# Altium PCB Test.PcbDoc (part 1 of 3)
Units mil, origin at the board's own origin, x right, y up, seen from the top; angles counter-clockwise.
Board outline 22000 x 14000 mil, 2 copper layers (Top Layer, Bottom Layer); 288 components, 166 nets, 913 pads, 158 vias.
Unrouted connection lines stored in the file: 82.
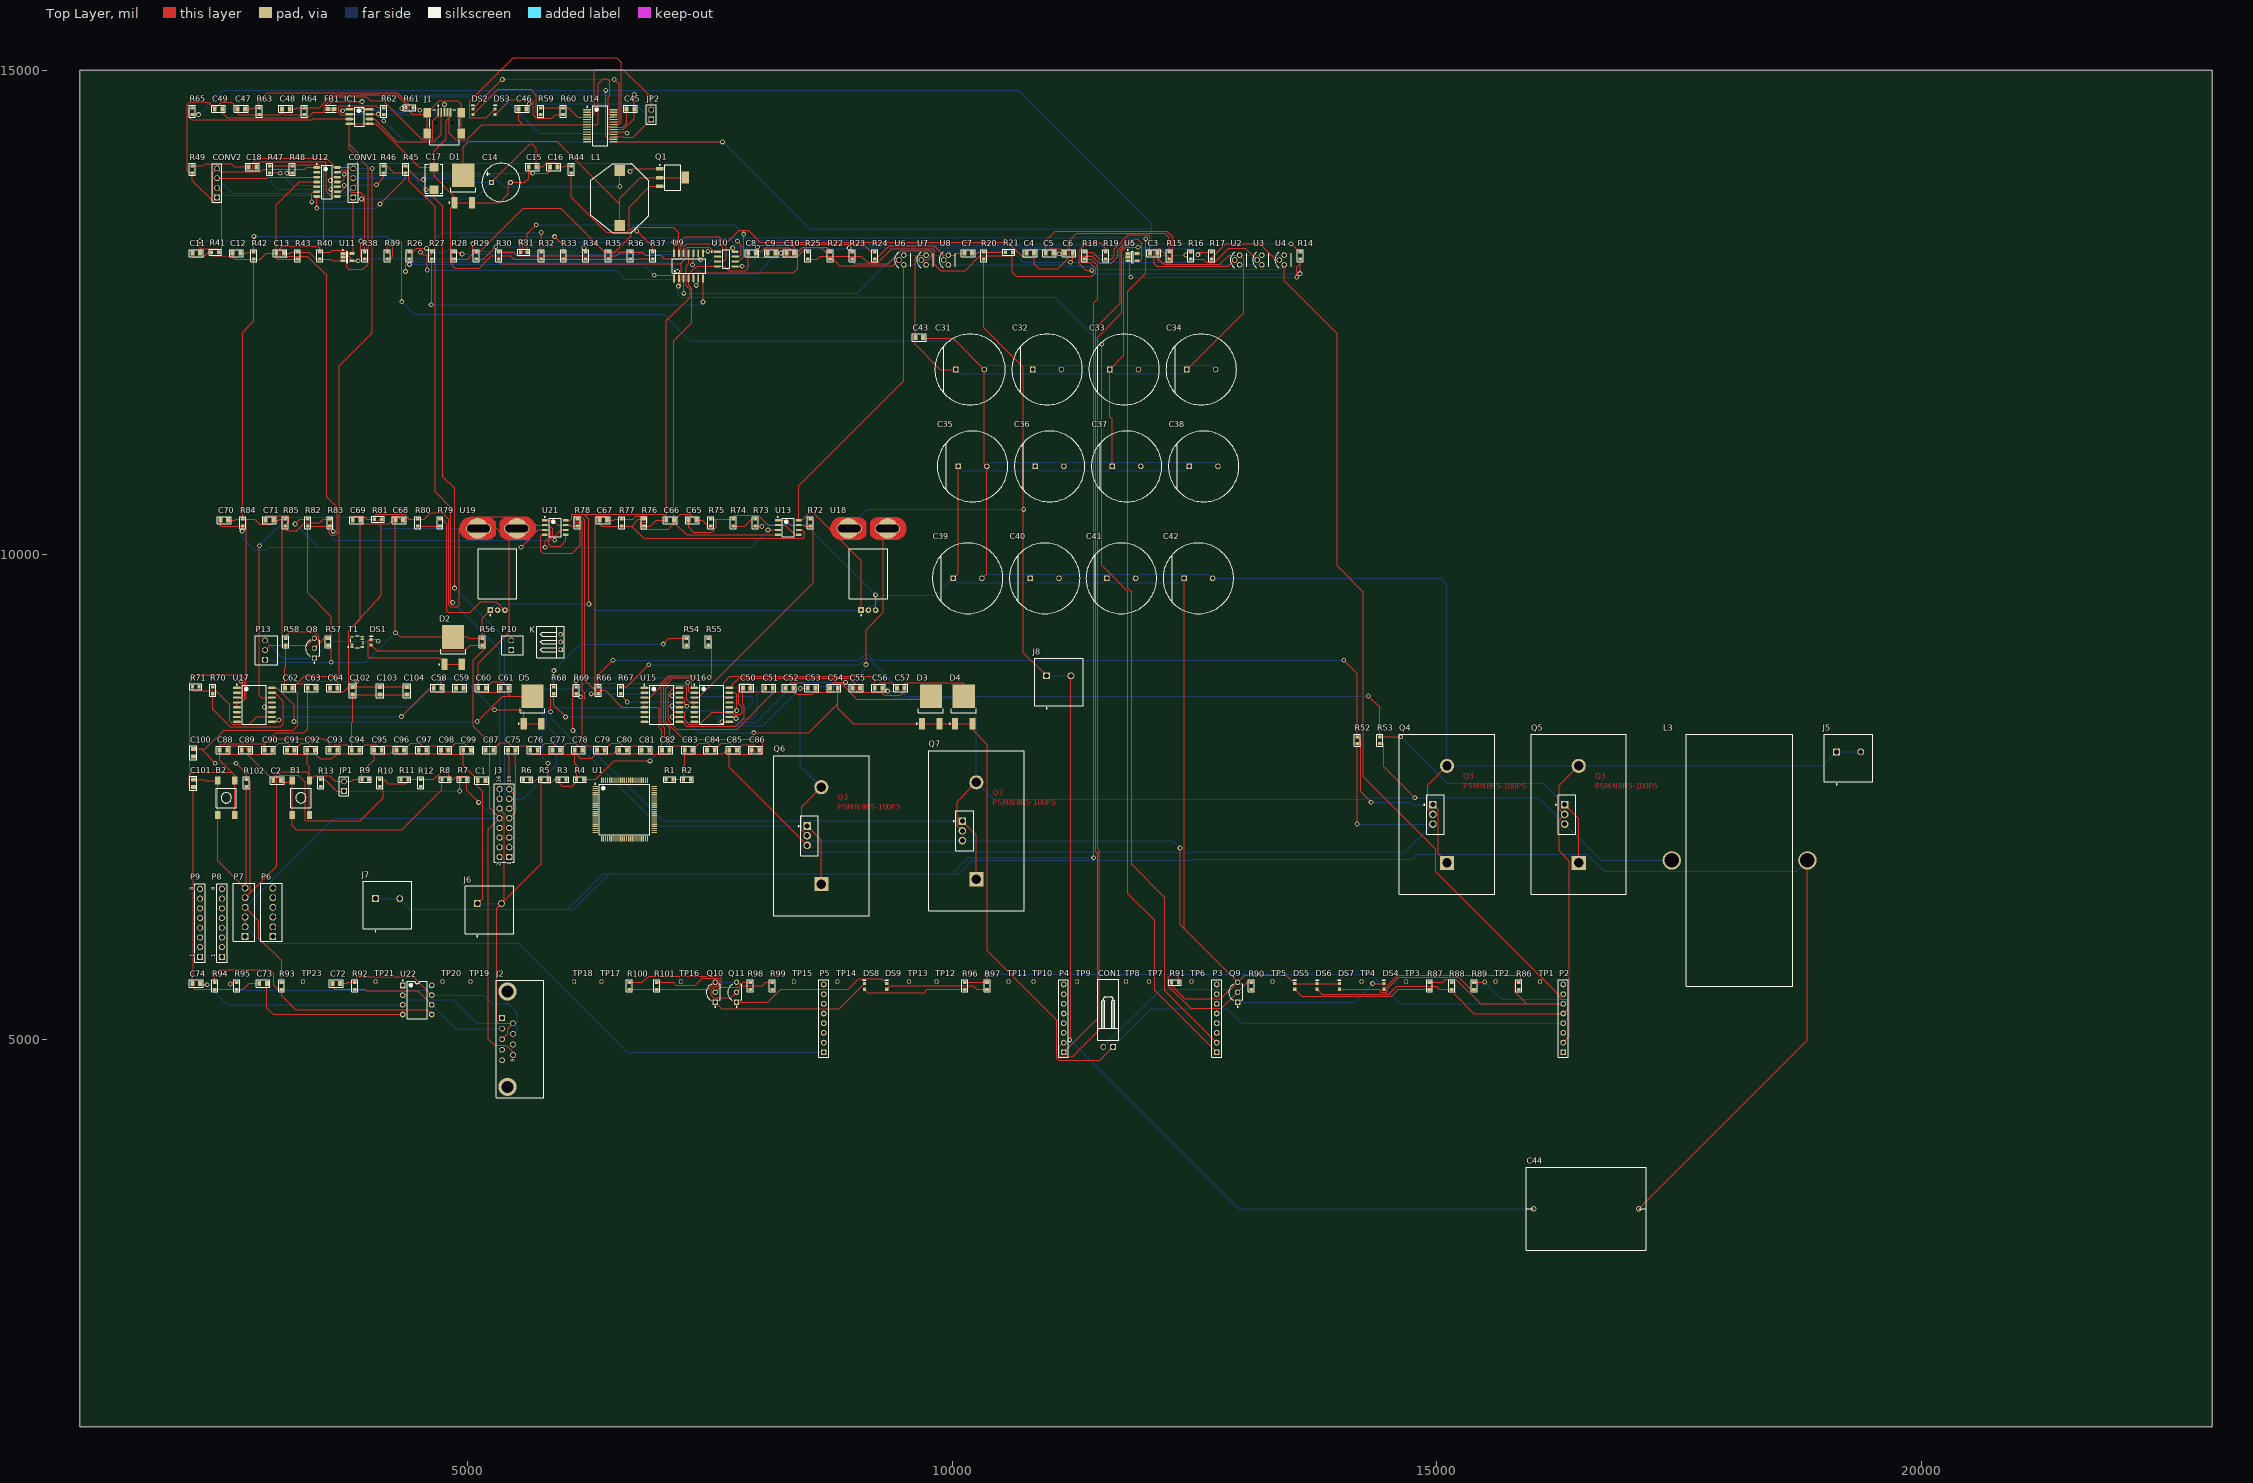
[diagram p0: Top Layer view]
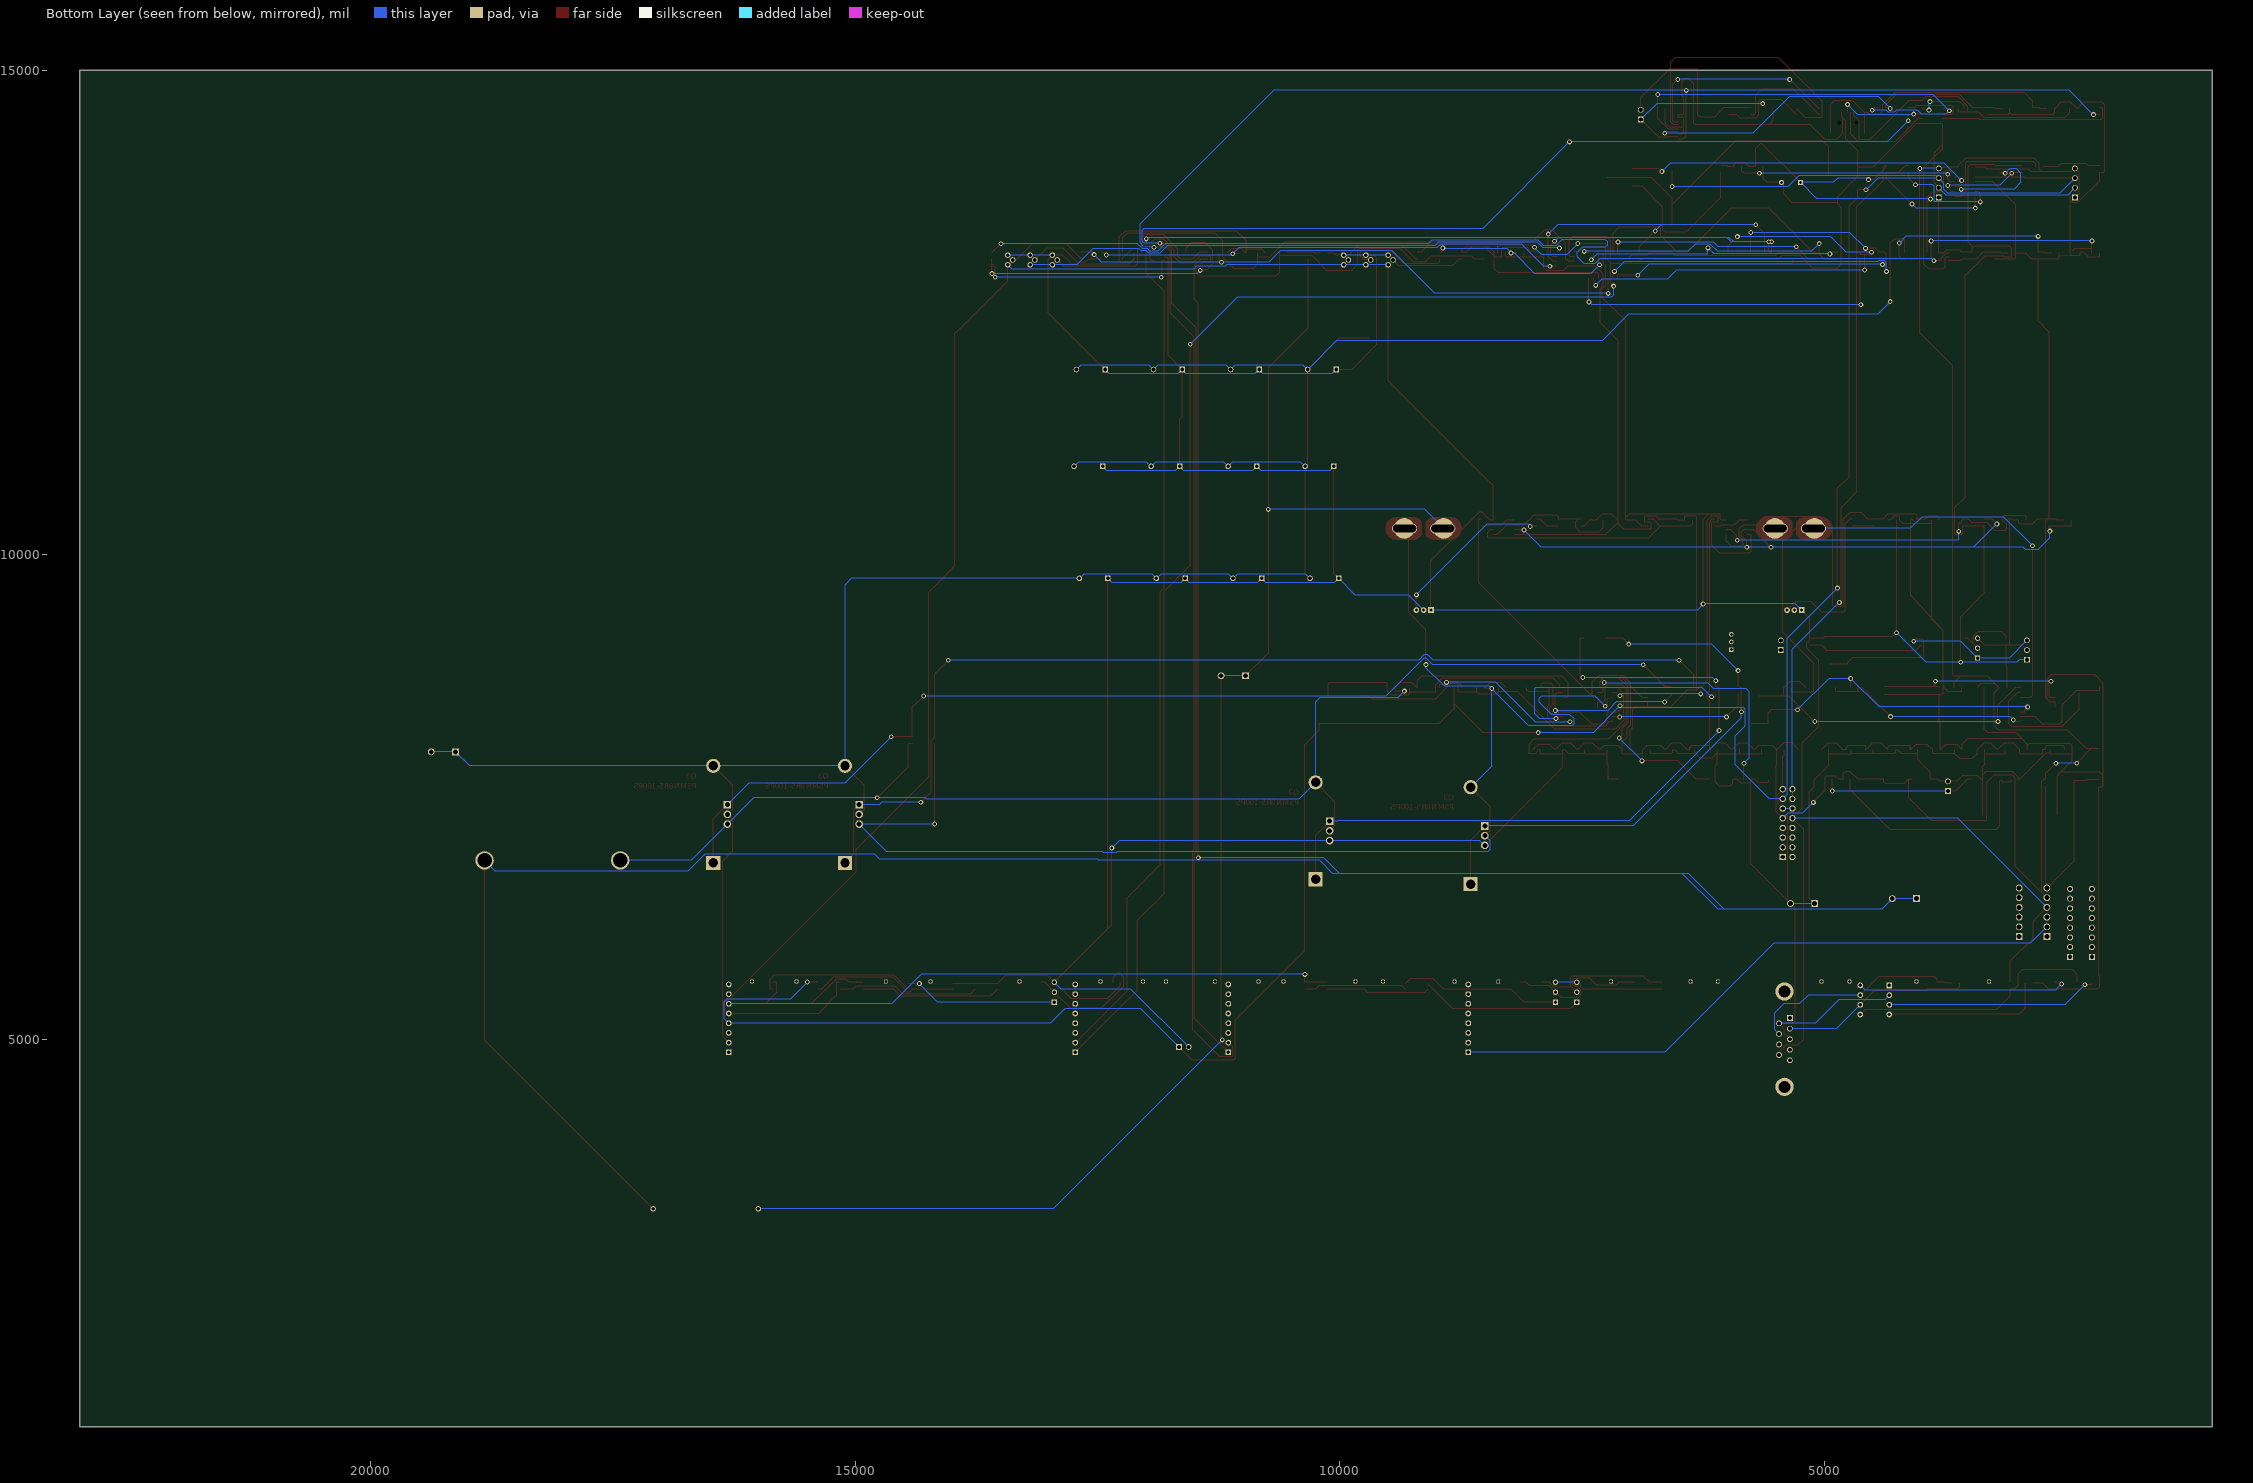
[diagram p1: Bottom Layer view, seen from below]
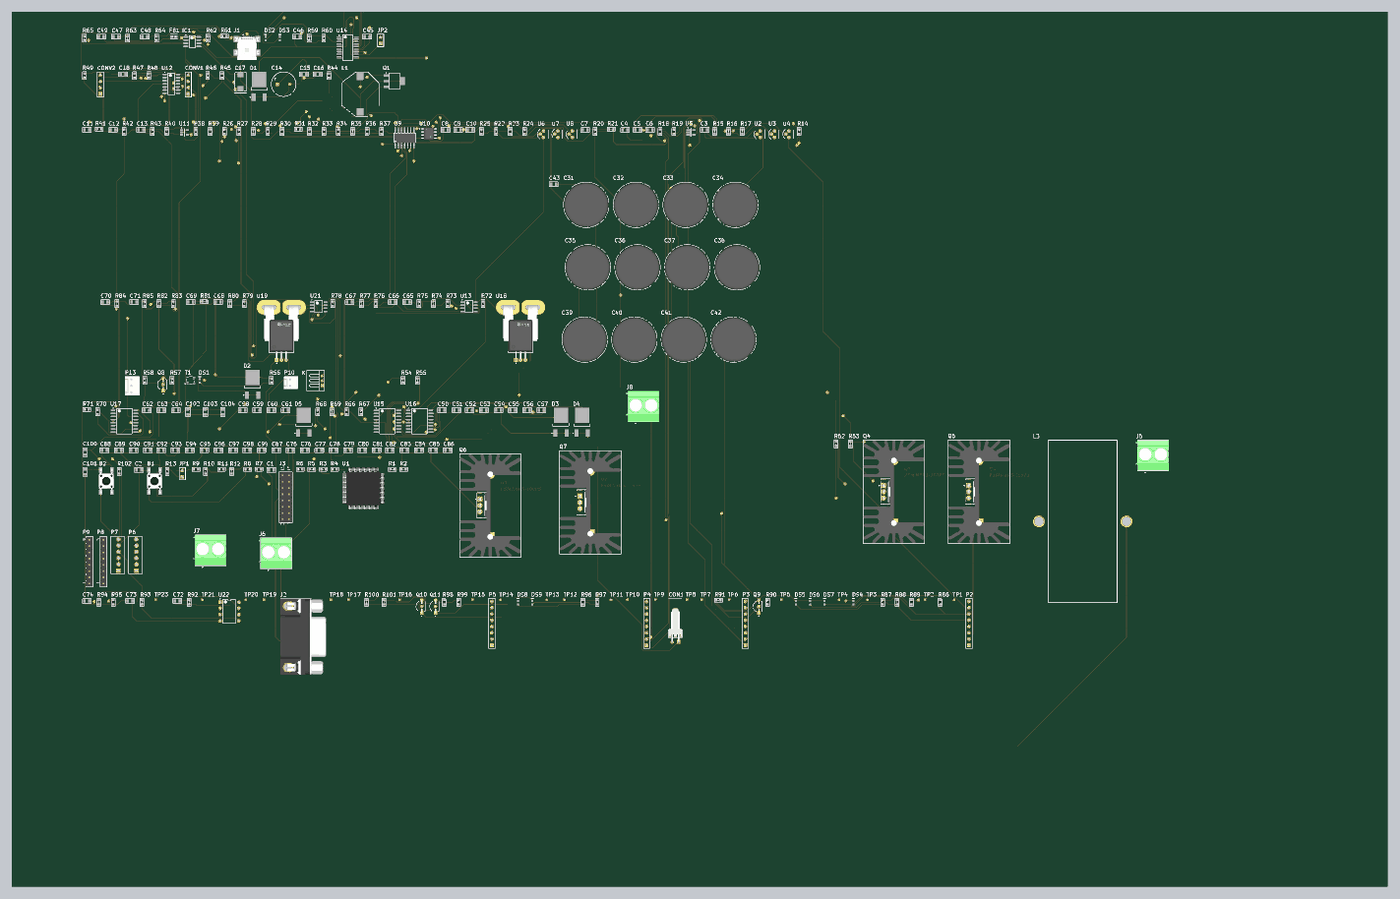
[diagram p4: 3D render of the assembled board from above, using the file's embedded part models]

## Layer stack, top to bottom
Top Solder: solder mask 0.4, Solder Resist, Dk 3.5
Top Layer: signal copper 1.4
Dielectric 1: dielectric 12.6, FR-4, Dk 4.8
Bottom Layer: signal copper 1.4
Bottom Solder: solder mask 0.4, Solder Resist, Dk 3.5

## Board outline
1000,1000 1000,15000 23000,15000 23000,1000

## Design rules (kind name [scope] priority, off if disabled: settings)
Clearance [All] p1: gap=10 ignorepadtopadclearanceinfootprint=FALSE except(0: Arc-Hole Track-Hole SMDPad-Hole THPad-Hole Via-Hole Fill-Hole Poly-Hole Region-Hole Text-Hole)
PolygonConnect [All] p1: connectstyle=Relief reliefconductorwidth=10 reliefentries=4 polygonreliefangle="90 Angle" airgapwidth=10
RoomDefinition USB_and_FTDI [InComponentClass('USB_and_FTDI')] p1: confinementstyle=ConfineIn formatcopy=TRUE lockcomponents=FALSE outline 2120,14200 7025,14200 7025,14750 2120,14750
RoomDefinition PowerSupply [InComponentClass('PowerSupply')] p2: confinementstyle=ConfineIn formatcopy=TRUE lockcomponents=FALSE outline 2120,13305 7310,13305 7310,14150 2120,14150
RoomDefinition Measurements [InComponentClass('Measurements')] p3: confinementstyle=ConfineIn formatcopy=TRUE lockcomponents=FALSE outline 2120,12800 13735,12800 13735,13260 2120,13260
RoomDefinition Hall_sensor [InComponentClass('Hall_sensor')] p4: confinementstyle=ConfineIn formatcopy=TRUE lockcomponents=FALSE outline 2410,9360 9545,9360 9545,10505 2410,10505
RoomDefinition Gate-Driver [InComponentClass('Gate-Driver')] p5: confinementstyle=ConfineIn formatcopy=TRUE lockcomponents=FALSE outline 2120,8185 10265,8185 10265,8775 2120,8775
RoomDefinition DSP_Supply [InComponentClass('DSP_Supply')] p6: confinementstyle=ConfineIn formatcopy=TRUE lockcomponents=FALSE outline 2120,7875 8085,7875 8085,8135 2120,8135
RoomDefinition DSP [InComponentClass('DSP')] p7: confinementstyle=ConfineIn formatcopy=TRUE lockcomponents=FALSE outline 2120,6770 7340,6770 7340,7820 2120,7820
RoomDefinition Display [InComponentClass('Display')] p8: confinementstyle=ConfineIn formatcopy=TRUE lockcomponents=FALSE outline 2120,5780 3105,5780 3105,6720 2120,6720
RoomDefinition Connectors [InComponentClass('Connectors')] p9: confinementstyle=ConfineIn formatcopy=TRUE lockcomponents=FALSE outline 2120,4375 16380,4375 16380,5725 2120,5725
RoutingVias [All] p1: holewidth=28 width=50 viastyle="Through Hole" minholewidth=28 minwidth=50 maxholewidth=28 maxwidth=50
SolderMaskExpansion [All] p1: expansion=4 istentingtop=FALSE
Width [All] p1: maxlimit=10 minlimit=10 preferedwidth=10
30 further rules are at their usual default settings.

## Classes and differential pairs
component class USB_and_FTDI: C45 C46 C47 C48 C49 DS2 DS3 FB1 IC1 J1 JP2 R59 R60 R61 R62 R63 R64 R65 U14
component class PowerSupply: C14 C15 C16 C17 C18 CONV1 CONV2 D1 L1 Q1 R44 R45 R46 R47 R48 R49 U12
component class Measurements: C3 C4 C5 C6 C7 C8 C9 C10 C11 C12 C13 R14 R15 R16 R17 R18 R19 R20 R21 R22 R23 R24 R25 R26 R27 R28 R29 R30 R31 R32 R33 R34 R35 R36 R37 R38 R39 R40 R41 R42 R43 U2 U3 U4 U5 U6 U7 U8 U9 U10 U11
component class Inverter: C31 C32 C33 C34 C35 C36 C37 C38 C39 C40 C41 C42 C43 C44 D2 DS1 J5 J6 J7 J8 K L3 P10 P13 Q4 Q5 Q6 Q7 Q8 R52 R53 R54 R55 R56 R57 R58 T1
component class Hall_sensor: C65 C66 C67 C68 C69 C70 C71 R72 R73 R74 R75 R76 R77 R78 R79 R80 R81 R82 R83 R84 R85 U13 U18 U19 U21
component class Gate-Driver: C50 C51 C52 C53 C54 C55 C56 C57 C58 C59 C60 C61 C62 C63 C64 C102 C103 C104 D3 D4 D5 R66 R67 R68 R69 R70 R71 U15 U16 U17
component class DSP: B1 B2 C1 C2 C101 J3 JP1 R1 R2 R3 R4 R5 R6 R7 R8 R9 R10 R11 R12 R13 R102 U1
component class DSP_Supply: C75 C76 C77 C78 C79 C80 C81 C82 C83 C84 C85 C86 C87 C88 C89 C90 C91 C92 C93 C94 C95 C96 C97 C98 C99 C100
component class Display: P6 P7 P8 P9
component class Connectors: C72 C73 C74 CON1 DS4 DS5 DS6 DS7 DS8 DS9 J2 P2 P3 P4 P5 Q9 Q10 Q11 R86 R87 R88 R89 R90 R91 R92 R93 R94 R95 R96 R97 R98 R99 R100 R101 TP1 TP2 TP3 TP4 TP5 TP6 TP7 TP8 TP9 TP10 TP11 TP12 TP13 TP14 TP15 TP16 TP17 TP18 TP19 TP20 TP21 TP23 U22
component class BoostConverter: F1

## Components (designator, comment, footprint, x,y, rotation, side; value= is the part's Value field where it differs from the comment)
B1 "Button" FP_BTN_SMD 3280,7490 r0 top
B2 "Button" FP_BTN_SMD 2510,7490 r0 top
C1 "100nF" FP_0805_CAP_085 5145,7670 r0 top
C2 "100nF" FP_0805_CAP_085 3035,7670 r0 top
C3 "2.2nF" FP_0805_CAP_085 12080,13110 r0 top
C4 "22uF" FP_0805_CAP_085 10805,13110 r0 top
C5 "22uF" FP_0805_CAP_085 11005,13110 r0 top
C6 "22uF" FP_0805_CAP_085 11205,13110 r0 top
C7 "2.2nF" FP_0805_CAP_085 10165,13110 r0 top
C8 "22uF" FP_0805_CAP_085 7935,13110 r0 top
C9 "22uF" FP_0805_CAP_085 8135,13110 r0 top
C10 "22uF" FP_0805_CAP_085 8330,13110 r0 top
C11 "2,2nF" FP_0805_CAP_085 2200,13110 r0 top
C12 "2,2nF" FP_0805_CAP_085 2615,13110 r0 top
C13 "2,2nF" FP_0805_CAP_085 3065,13110 r0 top
C14 "100 uF" NIC-UVR-10x12.5-2_V 5345,13840 r0 top
C15 "220nF" FP_0805_CAP_085 5670,14000 r0 top
C16 "220nF" FP_0805_CAP_085 5890,14000 r0 top
C17 "T491X107K020AT" KEMT-7343-43_L 4655,13880 r90 top
C18 "2.2nF" FP_0805_CAP_085 2780,14000 r0 top
C31 "330 uF" FP-LXW18X25-MFG 10185,11910 r0 top
C32 "330 uF" FP-LXW18X25-MFG 10980,11910 r0 top
C33 "330 uF" FP-LXW18X25-MFG 11775,11910 r0 top
C34 "330 uF" FP-LXW18X25-MFG 12570,11910 r0 top
C35 "330 uF" FP-LXW18X25-MFG 10210,10910 r0 top
C36 "330 uF" FP-LXW18X25-MFG 11005,10910 r0 top
C37 "330 uF" FP-LXW18X25-MFG 11800,10910 r0 top
C38 "330 uF" FP-LXW18X25-MFG 12595,10910 r0 top
C39 "330 uF" FP-LXW18X25-MFG 10160,9755 r0 top
C40 "330 uF" FP-LXW18X25-MFG 10955,9755 r0 top
C41 "330 uF" FP-LXW18X25-MFG 11745,9755 r0 top
C42 "330 uF" FP-LXW18X25-MFG 12540,9755 r0 top
C43 "220nF" FP_0805_CAP_085 9660,12240 r0 top
C44 "CAP_AC_68uF" Capacitor_AC_68_uF 136503.27,123753.27 r0 top
C45 "100nF" FP_0805_CAP_085 6680,14600 r0 top
C46 "100nF" FP_0805_CAP_085 5565,14600 r0 top
C47 "100nF" FP_0805_CAP_085 2665,14600 r0 top
C48 "100pF" FP_0805_CAP_085 3125,14600 r0 top
C49 "10nF" FP_0805_CAP_085 2430,14600 r0 top
C50 "100nF" FP_0805_CAP_085 7880,8625 r0 top
C51 "1uF" FP_0805_CAP_085 8110,8625 r0 top
C52 "100nF" FP_0805_CAP_085 8320,8625 r0 top
C53 "1uF" FP_0805_CAP_085 8550,8625 r0 top
C54 "100nF" FP_0805_CAP_085 8780,8625 r0 top
C55 "1uF" FP_0805_CAP_085 9010,8625 r0 top
C56 "100nF" FP_0805_CAP_085 9240,8625 r0 top
C57 "1uF" FP_0805_CAP_085 9470,8625 r0 top
C58 "100nF" FP_0805_CAP_085 4690,8625 r0 top
C59 "1uF" FP_0805_CAP_085 4920,8625 r0 top
C60 "100nF" FP_0805_CAP_085 5150,8625 r0 top
C61 "1uF" FP_0805_CAP_085 5380,8625 r0 top
C62 "100nF" FP_0805_CAP_085 3155,8625 r0 top
C63 "100nF" FP_0805_CAP_085 3390,8625 r0 top
C64 "100nF" FP_0805_CAP_085 3620,8625 r0 top
C65 "1nF" FP_0805_CAP_085 7320,10355 r0 top
C66 "100nF" FP_0805_CAP_085 7090,10355 r0 top
C67 "100nF" FP_0805_CAP_085 6400,10355 r0 top
C68 "100nF" FP_0805_CAP_085 4295,10355 r0 top
C69 "68nF" FP_0805_CAP_085 3855,10355 r0 top
C70 "100nF" FP_0805_CAP_085 2490,10355 r0 top
C71 "100nF" FP_0805_CAP_085 2955,10355 r0 top
C72 "100pF" FP_0805_CAP_085 3645,5575 r0 top
C73 "30pF" FP_0805_CAP_085 2890,5575 r0 top
C74 "100nF" FP_0805_CAP_085 2200,5575 r0 top
C75 "2.2uF" FP_0805_CAP_085 5455,7985 r0 top
C76 "100nF" FP_0805_CAP_085 5685,7985 r0 top
C77 "2.2uF" FP_0805_CAP_085 5915,7985 r0 top
C78 "100nF" FP_0805_CAP_085 6145,7985 r0 top
C79 "2.2uF" FP_0805_CAP_085 6375,7985 r0 top
C80 "100nF" FP_0805_CAP_085 6605,7985 r0 top
C81 "2.2uF" FP_0805_CAP_085 6835,7985 r0 top
C82 "100nF" FP_0805_CAP_085 7045,7985 r0 top
C83 "2.2uF" FP_0805_CAP_085 7280,7985 r0 top
C84 "100nF" FP_0805_CAP_085 7510,7985 r0 top
C85 "2.2uF" FP_0805_CAP_085 7740,7985 r0 top
C86 "100nF" FP_0805_CAP_085 7970,7985 r0 top
C87 "100nF" FP_0805_CAP_085 5225,7985 r0 top
C88 "1uF" FP_0805_CAP_085 2480,7985 r0 top
C89 "100nF" FP_0805_CAP_085 2710,7985 r0 top
C90 "1uF" FP_0805_CAP_085 2945,7985 r0 top
C91 "100nF" FP_0805_CAP_085 3175,7985 r0 top
C92 "1uF" FP_0805_CAP_085 3385,7985 r0 top
C93 "100nF" FP_0805_CAP_085 3615,7985 r0 top
C94 "1uF" FP_0805_CAP_085 3845,7985 r0 top
C95 "100nF" FP_0805_CAP_085 4075,7985 r0 top
C96 "1uF" FP_0805_CAP_085 4305,7985 r0 top
C97 "100nF" FP_0805_CAP_085 4535,7985 r0 top
C98 "1uF" FP_0805_CAP_085 4765,7985 r0 top
C99 "100nF" FP_0805_CAP_085 4995,7985 r0 top
C100 "100nF" FP_0805_CAP_085 2170,7955 r90 top
C101 "100nF" FP_0805_CAP_085 2170,7640 r90 top
C102 "100nF" FP_0805_CAP_085 3815,8595 r90 top
C103 "100nF" FP_0805_CAP_085 4095,8595 r90 top
C104 "100nF" FP_0805_CAP_085 4375,8595 r90 top
CON1 "Connector" FP_CONN2_TAP_254MM_90 11660,4920 r90 top
CONV1 "DCDC_converter_4pin" FP_CONN4_TUSKE_254MM 3820,13685 r0 top
CONV2 "DCDC_converter_4pin" FP_CONN4_TUSKE_254MM 2415,13685 r0 top
D1 "MBRD360T4G" ONSC-DPAK-3-369C-01_V 4955,13805 r90 top
D2 "MBRD360T4G" ONSC-DPAK-3-369C-01_V 4850,9039.76 r90 top
D3 "MBRD360T4G" ONSC-DPAK-3-369C-01_V 9780,8430 r90 top
D4 "MBRD360T4G" ONSC-DPAK-3-369C-01_V 10120,8430 r90 top
D5 "MBRD360T4G" ONSC-DPAK-3-369C-01_V 5670,8430 r90 top
DS1 "HSMG-C190" AVAG-HSMX-C190_V 4005,9095 r90 top
DS2 "HSMG-C190" AVAG-HSMX-C190_V 5055,14570 r90 top
DS3 "RED-HSMS-C190" AVAG-HSMX-C190_V 5285,14570 r90 top
DS4 "RED-HSMS-C190" AVAG-HSMX-C190_V 14455,5545 r90 top
DS5 "HSMG-C190" AVAG-HSMX-C190_V 13535,5545 r90 top
DS6 "HSMG-C190" AVAG-HSMX-C190_V 13765,5545 r90 top
DS7 "HSMG-C190" AVAG-HSMX-C190_V 13995,5545 r90 top
DS8 "RED-HSMS-C190" AVAG-HSMX-C190_V 9095,5545 r90 top
DS9 "RED-HSMS-C190" AVAG-HSMX-C190_V 9325,5545 r90 top
FB1 "BLM18SG221TN1D" FP-BLM18-0_15-t0_5-IPC_A 3590,14600 r0 top
IC1 "USB6B1" "INF-P-DSO-8-3_M - duplicate1" 3885,14520 r0 top
J1 "USB_MIN" FCI-10033526-N3212LF_V 4760,14455 r0 top
J2 "618009231121" 618009231121 5540,5000 r90 top
J3 "61301621121" 61301621121 5380,7230 r90 top
J5 "1714955" Terminal-PHOE-1714955_V 19250,7965 r0 top
J6 "1714955" Terminal-PHOE-1714955_V 5225,6400 r0 top
J7 "1714955" Terminal-PHOE-1714955_V 4175,6450 r0 top
J8 "1714955" Terminal-PHOE-1714955_V 11100,8750 r0 top
JP1 "JUMPER" FP_CONN2_TUSKE_254MM 3725,7560 r0 top
JP2 "JUMPER" FP_CONN2_TUSKE_254MM 6895,14490 r0 top
K "RELAY_SRD-05VDC-SL-C" FP_CONN3_2MM_90 5960,9020 r90 top
L1 "47 uH/2.6 A" "Tekercs_B82479-A1473-M - duplicate" 6570,13680 r90 top
L3 "Coil" Tekercs_E65_FERRITE 18125,6845 r0 top value="14.9 uF"
P2 "Header 8" HDR1X8 16305,4865 r90 top
P3 "Header 8" HDR1X8 12730,4865 r90 top
P4 "Header 8" HDR1X8 11150,4865 r90 top
P5 "Header 8" HDR1X8 8675,4865 r90 top
P6 "640456-6" TECO-640456-6_V 2990,6060 r90 top
P7 "640456-6" TECO-640456-6_V 2705,6060 r90 top
P8 "61300811121" 61300811121 2465,6200 r90 top
P9 "61300811121" 61300811121 2240,6200 r90 top
P10 "Output Connector" FP_CONN2_TAP_254MM 5450,9015 r0 top
P13 "Connector" FP_CONN3_TAP_254MM 2910,8915 r0 top
Q1 "BSP613P" INF-PG-SOT223_SC-73_M 7115,13890 r0 top
Q4 "PSMN8R5-100PS" FP-TO-220AB-MFG 14985,7320 r0 top
Q5 "PSMN8R5-100PS" FP-TO-220AB-MFG 16345,7320 r0 top
Q6 "PSMN8R5-100PS" FP-TO-220AB-MFG 8530,7100 r0 top
Q7 "PSMN8R5-100PS" FP-TO-220AB-MFG 10130,7150 r0 top
Q8 "BC548BRL1G" ONSC-TO-92-3-29-11_AM_BL 3420,9035 r90 top
Q9 "BC548B" ONSC-TO-92-3-29-11_AM_BL 12945,5485 r90 top
Q10 "BC548B" ONSC-TO-92-3-29-11_AM_BL 7555,5485 r90 top
Q11 "BC548B" ONSC-TO-92-3-29-11_AM_BL 7775,5485 r90 top
R1 "4.7K" FP_0603_RES 7085,7680 r0 top
R2 "4.7K" FP_0603_RES 7265,7680 r0 top
R3 "4.7K" FP_0603_RES 5980,7680 r0 top
R4 "4.7K" FP_0603_RES 6160,7680 r0 top
R5 "4.7K" FP_0603_RES 5795,7680 r0 top
R6 "4.7K" FP_0603_RES 5610,7680 r0 top
R7 "4.7K" FP_0603_RES 4955,7680 r0 top
R8 "1K" FP_0603_RES 4770,7680 r0 top
R9 "2.2K" FP_0603_RES 3945,7680 r0 top
R10 "4.7K" FP_0603_RES 4095,7645 r90 top
R11 "4.7K" FP_0603_RES 4350,7680 r0 top
R12 "4.7K" FP_0603_RES 4515,7645 r90 top
R13 "100" FP_0603_RES 3485,7645 r90 top
R14 "680" FP_0603_RES 13590,13085 r90 top
R15 "10K" FP_0603_RES 12240,13085 r90 top
R16 "10K" FP_0603_RES 12460,13085 r90 top
R17 "10K" FP_0603_RES 12680,13085 r90 top
R18 "10K" FP_0603_RES 11365,13085 r90 top
R19 "10K" FP_0603_RES 11585,13085 r90 top
R20 "10K" FP_0603_RES 10325,13085 r90 top
R21 "10K" FP_0603_RES 10585,13120 r0 top
R22 "10K" FP_0603_RES 8740,13085 r90 top
R23 "10K" FP_0603_RES 8970,13085 r90 top
R24 "10K" FP_0603_RES 9200,13085 r90 top
R25 "680" FP_0603_RES 8510,13085 r90 top
R26 "10K" FP_0603_RES 4400,13085 r90 top
R27 "10K" FP_0603_RES 4630,13085 r90 top
R28 "10K" FP_0603_RES 4860,13085 r90 top
R29 "10K" FP_0603_RES 5090,13085 r90 top
R30 "10K" FP_0603_RES 5320,13085 r90 top
R31 "10K" FP_0603_RES 5580,13120 r0 top
R32 "10K" FP_0603_RES 5760,13085 r90 top
R33 "10K" FP_0603_RES 5990,13085 r90 top
R34 "10K" FP_0603_RES 6220,13085 r90 top
R35 "10K" FP_0603_RES 6450,13085 r90 top
R36 "10K" FP_0603_RES 6680,13085 r90 top
R37 "10K" FP_0603_RES 6910,13085 r90 top
R38 "120K" FP_0603_RES 3940,13085 r90 top
R39 "220K" FP_0603_RES 4170,13085 r90 top
R40 "20K" FP_0603_RES 3475,13085 r90 top
R41 "10K" FP_0603_RES 2395,13120 r0 top
R42 "10K" FP_0603_RES 2795,13085 r90 top
R43 "10K" FP_0603_RES 3245,13085 r90 top
R44 "47m" FP_0603_RES 6070,13975 r90 top
R45 "400K" FP_0603_RES 4360,13975 r90 top
R46 "100K" FP_0603_RES 4130,13975 r90 top
R47 "20K" FP_0603_RES 2960,13975 r90 top
R48 "20K" FP_0603_RES 3190,13975 r90 top
R49 "680" FP_0603_RES 2160,13975 r90 top
R52 "3.3K" FP_0603_RES 14180,8085 r90 top
R53 "3.3K" FP_0603_RES 14410,8085 r90 top
R54 "3.3K" FP_0603_RES 7255,9100 r90 top
R55 "3.3K" FP_0603_RES 7485,9100 r90 top
R56 "1K" FP_0603_RES 5150,9100 r90 top
R57 "1K" FP_0603_RES 3560,9100 r90 top
R58 "1K" FP_0603_RES 3125,9100 r90 top
R59 "470" FP_0603_RES 5755,14575 r90 top
R60 "470" FP_0603_RES 5985,14575 r90 top
R61 "4.7K" FP_0603_RES 4400,14610 r0 top
R62 "330R" FP_0603_RES 4135,14575 r90 top
R63 "1K" FP_0603_RES 2850,14575 r90 top
R64 "10K" FP_0603_RES 3315,14575 r90 top
R65 "330R" FP_0603_RES 2160,14575 r90 top
R66 "1.8" FP_0603_RES 6350,8600 r90 top
R67 "1.8" FP_0603_RES 6580,8600 r90 top
R68 "1.8" FP_0603_RES 5890,8600 r90 top
R69 "1.8" FP_0603_RES 6120,8600 r90 top
R70 "1.8" FP_0603_RES 2370,8600 r90 top
R71 "1.8" FP_0603_RES 2195,8635 r0 top
R72 "3K" FP_0603_RES 8535,10330 r90 top
R73 "220" FP_0603_RES 7970,10330 r90 top
R74 "10K" FP_0603_RES 7740,10330 r90 top
R75 "20K" FP_0603_RES 7510,10330 r90 top
R76 "10K" FP_0603_RES 6820,10330 r90 top
R77 "400" FP_0603_RES 6590,10330 r90 top
R78 "3K" FP_0603_RES 6130,10330 r90 top
R79 "220" FP_0603_RES 4715,10330 r90 top
R80 "10K" FP_0603_RES 4485,10330 r90 top
R81 "20K" FP_0603_RES 4075,10365 r0 top
R82 "10K" FP_0603_RES 3350,10330 r90 top
R83 "22K" FP_0603_RES 3580,10330 r90 top
R84 "20K" FP_0603_RES 2680,10330 r90 top
R85 "10K" FP_0603_RES 3120,10330 r90 top
R86 "680R" FP_0603_RES 15845,5550 r90 top
R87 "680R" FP_0603_RES 14925,5550 r90 top
R88 "1K" FP_0603_RES 15155,5550 r90 top
R89 "2,2K" FP_0603_RES 15385,5550 r90 top
R90 "1K" FP_0603_RES 13085,5550 r90 top
R91 "1K" FP_0603_RES 12300,5585 r0 top
R92 "120" FP_0603_RES 3835,5550 r90 top
R93 "10K" FP_0603_RES 3080,5550 r90 top
R94 "10K" FP_0603_RES 2390,5550 r90 top
R95 "10K" FP_0603_RES 2620,5550 r90 top
R96 "680R" FP_0603_RES 10130,5550 r90 top
R97 "680R" FP_0603_RES 10360,5550 r90 top
R98 "1K" FP_0603_RES 7915,5550 r90 top
R99 "1K" FP_0603_RES 8145,5550 r90 top
R100 "1K" FP_0603_RES 6670,5550 r90 top
R101 "1K" FP_0603_RES 6950,5550 r90 top
R102 "1K" FP_0603_RES 2715,7645 r90 top
T1 "Transformator" TDK-ALT3232_V 3860,9100 r0 top
TP1 "TestPoint" Test_Point 16065,5595 r90 top
TP2 "TestPoint" Test_Point 15605,5595 r90 top
TP3 "TestPoint" Test_Point 14685,5595 r90 top
TP4 "TestPoint" Test_Point 14225,5595 r90 top
TP5 "TestPoint" Test_Point 13305,5595 r90 top
TP6 "TestPoint" Test_Point 12470,5595 r90 top
TP7 "TestPoint" Test_Point 12030,5595 r90 top
TP8 "TestPoint" Test_Point 11795,5595 r90 top
TP9 "TestPoint" Test_Point 11290,5595 r90 top
TP10 "TestPoint" Test_Point 10840,5595 r90 top
TP11 "TestPoint" Test_Point 10580,5595 r90 top
TP12 "TestPoint" Test_Point 9840,5595 r90 top
TP13 "TestPoint" Test_Point 9555,5595 r90 top
TP14 "TestPoint" Test_Point 8815,5595 r90 top
TP15 "TestPoint" Test_Point 8365,5595 r90 top
TP16 "TestPoint" Test_Point 7200,5595 r90 top
TP17 "TestPoint" Test_Point 6380,5595 r90 top
TP18 "TestPoint" Test_Point 6100,5595 r90 top
TP19 "TestPoint" Test_Point 5030,5595 r90 top
TP20 "TestPoint" Test_Point 4740,5595 r90 top
TP21 "TestPoint" Test_Point 4050,5595 r90 top
TP23 "TestPoint" Test_Point 3300,5595 r90 top
U1 "TMS320F28069PZT" PZ0100A_N 6620,7370 r0 top
U2 "MCP9700-E/TO" FP-C04-101-MFG 12955,13040 r0 top
U3 "MCP9700-E/TO" FP-C04-101-MFG 13185,13040 r0 top
U4 "MCP9700-E/TO" FP-C04-101-MFG 13415,13040 r0 top
U5 "MCP6001RT-I/OT" SOT-23-OT5_M 11860,13070 r0 top
U6 "MCP9700-E/TO" FP-C04-101-MFG 9490,13040 r0 top
U7 "MCP9700-E/TO" FP-C04-101-MFG 9720,13040 r0 top
U8 "MCP9700-E/TO" FP-C04-101-MFG 9950,13040 r0 top
U9 "LM324M" FP_SOIC14 7130,12850 r0 top
U10 "LM358DR2G" FP-751-07-IPC_C 7670,13050 r0 top
U11 "MCP6001RT-I/OT" SOT-23-OT5_M 3760,13070 r0 top
U12 "TLE6389-2G V50" INF-PG-DSO-14-1_M 3550,13845 r0 top
U13 "LM393DR2G" ONSC-SOIC-8-751-07_V 8310,10280 r0 top
U14 "FTDI" SSOP-28_N 6370,14425 r0 top
U15 "2EDS8265HXUMA2" EXAR-WSOIC-16_N 7005,8450 r0 top
U16 "2EDS8265HXUMA2" EXAR-WSOIC-16_N 7520,8450 r0 top
U17 "2EDS8265HXUMA2" EXAR-WSOIC-16_N 2800,8450 r0 top
U18 "ACS758LCB-050B-PFF-T" FP-CB-5-PFF-MFG 9135,9805 r0 top
U19 "ACS758LCB-050B-PFF-T" FP-CB-5-PFF-MFG 5310,9805 r0 top
U21 "LM393DR2G" ONSC-SOIC-8-751-07_V 5905,10280 r0 top
U22 "MCP2551-I/P" PDIP300-P8 4480,5405 r0 top

## Footprints (in the part's own frame and the unit in brackets; to place one, negate y for a bottom-side part, rotate by r counter-clockwise, add the part's x,y. Pads: shape width x height; smd on the part's side, far side on the other; paste and mask are expansions set on the pad)
61300811121 [mm] "Pin Header, pitch 2.54 mm, THT, Vertical, single row, 8p"
  rect 1.6x1.6 hole 1.1: 1(-8.89,0)
  round 1.6 hole 1.1: 2(-6.35,0) 3(-3.81,0) 4(-1.27,0) 5(1.27,0) 6(3.81,0) 7(6.35,0) 8(8.89,0)
  silkscreen extent -10.31,-1.34 10.31,1.34, body extent -10.16,-1.27 10.16,1.27, height 8.57
61301621121 [mm] "Pin Header, pitch 2.54 mm, THT, Vertical, dual row, 16p"
  rect 1.65x1.65 hole 1.1: 1(-8.89,-1.27)
  round 1.65 hole 1.1: 2(-8.89,1.27) 3(-6.35,-1.27) 4(-6.35,1.27) 5(-3.81,-1.27) 6(-3.81,1.27) 7(-1.27,-1.27) 8(-1.27,1.27) 9(1.27,-1.27) 10(1.27,1.27) 11(3.81,-1.27) 12(3.81,1.27) 13(6.35,-1.27) 14(6.35,1.27) 15(8.89,-1.27) 16(8.89,1.27)
  silkscreen extent -10.31,-2.61 10.31,2.61, body extent -10.16,-2.54 10.16,2.54, height 8.59
618009231121 [mm] "9 pins, right angled, 8.08mm, with hex screw"
  rect 1.5x1.5 hole 1: 1(5.54,4.67)
  round 1.5 hole 1: 2(2.77,4.67) 3(0,4.67) 4(-2.77,4.67) 5(-5.54,4.67) 6(4.155,1.83) 7(1.385,1.83) 8(-1.385,1.83) 9(-4.155,1.83)
  round 4.8 hole 3.2: M1(-12.5,3.25) M2(12.5,3.25)
  silkscreen extent -15.4,-6.25 15.4,6.25, body extent -15.4,-12.25 15.4,6.25, height 12.55
AVAG-HSMX-C190_V [mm] "SMD, 2-Leads, Body 1.6x0.8mm, Height 0.9mm"
  rect 0.8x0.8 smd: 1(-0.75,0) 2(0.75,0)
  silkscreen extent 1.65,-0.4 1.65,0.4, body extent -0.8,-0.4 0.8,0.4, height 0.9
Capacitor_AC_68_uF [mil]
  round 55 hole 35: 1(-120503.27,-120503.27) 2(-119418.27,-120503.27)
  silkscreen extent -120581,-120933 -119341,-120073
EXAR-WSOIC-16_N [mm] "SOIC, 16-Leads, Body 10.30x7.50mm, Pitch 1.27mm, IPC Medium Density"
  oval 2.1x0.6 smd: 1(-4.575,4.445) 2(-4.575,3.175) 3(-4.575,1.905) 4(-4.575,0.635) 5(-4.575,-0.635) 6(-4.575,-1.905) 7(-4.575,-3.175) 8(-4.575,-4.445) 9(4.575,-4.445) 10(4.575,-3.175) 11(4.575,-1.905) 12(4.575,-0.635) 13(4.575,0.635) 14(4.575,1.905) 15(4.575,3.175) 16(4.575,4.445)
  silkscreen extent -4.7,-5.15 3.13,5.42, body extent -3.75,-5.15 3.75,5.15, height 2.65
FCI-10033526-N3212LF_V [mm] "SMD, 5-Leads, Body 9.2x7.7mm, Pitch 0.8mm"
  rect 0.5x2.25 smd: 1(-1.6,2.787) 2(-0.8,2.787) 3(0,2.787) 4(0.8,2.787) 5(1.6,2.787)
  rect 2x2.5 smd: 6(-4.45,2.662) 7(4.45,2.662) 8(-4.45,-2.787) 9(4.45,-2.787)
  round 0 hole 0.9 unplated: MH1(-2.2,0.082) MH2(2.2,0.082)
  silkscreen extent -3.85,-5.77 3.85,4.59, body extent -4.95,-5.77 4.95,3.63, height 4.02
FP-751-07-IPC_C [mil]
  rect 73.78x21.39 smd paste+0 mask+0: 1(-91.18,75)
  rrect100% 73.78x21.39 smd paste+0 mask+0: 2(-91.18,25) 3(-91.18,-25) 4(-91.18,-75) 5(91.18,-75) 6(91.18,-25) 7(91.18,25) 8(91.18,75)
  silkscreen extent -157,-96 35,96, body extent -132,-100 132,100, height 10
FP-BLM18-0_15-t0_5-IPC_A [mil]
  rect 51.42x41.66 smd paste+0 mask+0: 1(-30.55,0) 2(30.55,0)
  silkscreen extent -56,-37 56,37, body extent -76,-41 76,41, height 10
FP-C04-101-MFG [mm]
  round 1.45 hole 0.95 paste-1000 mask+0: 1(0.286,-1.27) 2(-0.984,0) 3(0.286,1.27)
  silkscreen extent -2.17,-2.01 2.13,2.01
FP-CB-5-PFF-MFG [mm]
  rect 1.5x1.5 hole 0.8 paste-1000 mask+0: 1(-1.91,-9.59)
  round 1.5 hole 0.8 paste-1000 mask+0: 2(0,-9.59) 3(1.91,-9.59)
  rrect100% 6.6x2.6 hole 2 slot 6 at 0 deg paste-1000 mask+0: 4(5,11.809) 5(-5,11.809)
  round 5.4 smd paste-1000 mask+0: 4(5.099,11.809) 5(-5.25,11.809)
  round 5.4 smd far side paste-1000 mask+0: 4(5.099,11.809) 5(-5.25,11.809)
  Top Layer region: 0.5,13.468 1.581,14.453 3,14.809 3,14.809 7,14.81 8.302,14.512 9.345,13.68 9.925,12.477 9.925,11.142 9.345,9.939 8.302,9.107 7,8.809 7,8.809 3,8.809 1.581,9.166 0.5,10.151 0.5,10.151
  Top Layer region: -0.5,10.151 -1.581,9.166 -3,8.81 -3,8.81 -7,8.809 -8.302,9.107 -9.345,9.939 -9.925,11.142 -9.925,12.477 -9.345,13.68 -8.302,14.512 -7,14.809 -7,14.81 -3,14.81 -1.581,14.453 -0.5,13.468 -0.5,13.468
  silkscreen extent -5.05,-11.04 5.05,6.55, body extent -10.1,-10.44 10.1,14.91, height 0.25
FP-LXW18X25-MFG [mm]
  rect 1.45x1.45 hole 0.95 paste-1000 mask+0: 1(-3.75,0)
  round 1.45 hole 0.95 paste-1000 mask+0: 2(3.75,0)
  silkscreen extent -9.25,-9.25 9.25,9.25, body extent -9.35,-9.35 9.35,9.35, height 0.25
FP-TO-220AB-MFG [mm]
  rect 2x2 hole 1.3 paste-1000 mask+0: 1(-0.647,2.55)
  rect 3.7x3.7 hole 2.45 paste-1000 mask+0: 1(3.048,-12.7)
  round 2 hole 1.3 paste-1000 mask+0: 2(-0.647,0) 3(-0.647,-2.55)
  round 3.7 hole 2.45 paste-1000 mask+0: 2(3.048,12.7)
  Top Layer region: 12.816,-13.418 12.816,-13.418 12.816,-13.418 12.816,-13.418
  Top Layer region: 12.816,-13.418 12.816,-13.418 12.816,-13.418 12.816,-13.418
  Top Layer region: 12.816,-13.418 12.816,-13.418 12.816,-13.418 12.816,-13.418
  silkscreen extent -9.45,-21 15.55,21, body extent -9.55,-21.1 15.65,21.1, height 0.25
FP_0603_RES [mm] "0603 ellenállás"
  rect 0.8x0.95 smd: 1(-0.9,0) 2(0.9,0)
  silkscreen extent -1.6,-0.78 1.6,0.78, body extent -0.8,-0.4 0.8,0.4, height 0.44
FP_0805_CAP_085 [mm] "0805 kapacitás YAGEO 0.85mm magas"
  rect 1x1.3 smd: 1(-1,0) 2(1,0)
  silkscreen extent -1.8,-0.95 1.8,0.95, body extent -1,-0.64 1.03,0.64, height 0.85
FP_BTN_SMD [mm] "SMD Push Button 6x6mm"
  rect 1.4x2.1 smd: 1(2.25,4.55) 2(2.25,-4.55) 3(-2.25,4.55) 4(-2.25,-4.55)
  silkscreen extent -2.67,-2.54 2.67,2.54, body extent -3,-5 3,5, height 5.1
FP_CONN2_TAP_254MM [mm] "álló két pólusú tápcsatlakozó 2.54mm"
  rect 1.5x1.5 hole 1.1: 1(0,0)
  round 1.5 hole 1.1: 2(0,2.54)
  silkscreen extent -2.54,-1.27 3.17,3.81, body extent -2.52,-1.27 3.28,3.81, height 11.56
FP_CONN2_TAP_254MM_90 [mm] "fekvõ két pólusú tápcsatlakozó 2.54mm"
  rect 1.5x1.5 hole 1.1: 1(0,0)
  round 1.5 hole 1.1: 2(0,2.54)
  silkscreen extent 1.7,-1.53 17.7,4.07, body extent -0.33,-1.3 13.5,3.78, height 5.8
FP_CONN2_TUSKE_254MM [mm] "2×1 tüskesor"
  rect 1.5x1.5 hole 1.1: 1(0,0)
  round 1.5 hole 1.1: 2(0,2.54)
  silkscreen extent -1.27,-1.27 1.27,3.81, body extent -1.27,-1.27 1.27,3.81, height 8.54
FP_CONN3_2MM_90 [mm] "fekvõ 3 pólusú csatlakozó 2mm"
  rect 1.2x1.2 hole 0.8: 1(0,0)
  round 1.2 hole 0.8: 2(2,0) 3(4,0)
  silkscreen extent -2.1,-1 6.1,6.2, body extent -2,0.2 6,6.1, height 5
FP_CONN3_TAP_254MM [mm] "álló három pólusú tápcsatlakozó 2.54mm"
  rect 1.5x1.5 hole 1.1: 1(0,0)
  round 1.5 hole 1.1: 2(0,2.54) 3(0,5.08)
  silkscreen extent -2.54,-1.27 3.3,6.35, body extent -2.52,-1.27 3.28,6.35, height 11.56
FP_CONN4_TUSKE_254MM [mm] "4×1 tüskesor"
  rect 1.5x1.5 hole 1.1: 1(0,0)
  round 1.5 hole 1.1: 2(0,2.54) 3(0,5.08) 4(0,7.62)
  silkscreen extent -1.27,-1.27 1.27,8.9, body extent -1.27,-1.27 1.27,8.89, height 8.54
FP_SOIC14 [mil] "SOIC-14 egyesek szerint narrow, RET szerint normál"
  rect 20x80 smd: 1(0,0)
  oval 20x80 smd: 2(50,0) 3(100,0) 4(150,0) 5(200,0) 6(250,0) 7(300,0) 8(300,260) 9(250,260) 10(200,260) 11(150,260) 12(100,260) 13(50,260) 14(0,260)
  silkscreen extent -20,55 325,205, body extent -22,10 322,248, height 63
HDR1X8 [mm] "Connector; Header; 8 Position"
  rect 1.5x1.5 hole 0.9: 1(0,0)
  round 1.5 hole 0.9: 2(2.54,0) 3(5.08,0) 4(7.62,0) 5(10.16,0) 6(12.7,0) 7(15.24,0) 8(17.78,0)
  silkscreen extent -1.27,-1.27 19.05,1.27
"INF-P-DSO-8-3_M - duplicate1" [mm] "SOP, 8-Leads, Body 4.9x3.9mm, Pitch 1.27mm, IPC Low Density"
  oval 2.1x0.7 smd: 1(-2.65,1.905) 2(-2.65,0.635) 3(-2.65,-0.635) 4(-2.65,-1.905) 5(2.65,-1.905) 6(2.65,-0.635) 7(2.65,0.635) 8(2.65,1.905)
  silkscreen extent -2.77,-2.5 1.2,2.93, body extent -2,-2.5 2,2.5, height 1.75
INF-PG-DSO-14-1_M [mm] "SOP, 14-Leads, Body 8.65x3.9mm, Pitch 1.27mm, IPC Low Density"
  oval 1.85x0.7 smd: 1(-2.7,3.81) 2(-2.7,2.54) 3(-2.7,1.27) 4(-2.7,0) 5(-2.7,-1.27) 6(-2.7,-2.54) 7(-2.7,-3.81) 8(2.7,-3.81) 9(2.7,-2.54) 10(2.7,-1.27) 11(2.7,0) 12(2.7,1.27) 13(2.7,2.54) 14(2.7,3.81)
  silkscreen extent -2.82,-4.37 1.38,4.83, body extent -2,-4.38 2,4.38, height 1.75
INF-PG-SOT223_SC-73_M [mm] "SOT223, 4-Leads, Body 6.5x3.5mm, Pitch 2.3mm, IPC Low Density"
  rect 1.9x0.9 smd: 1(-3.35,2.3) 2(-3.35,0) 3(-3.35,-2.3)
  rect 1.9x3.2 smd: 4(3.35,0)
  silkscreen extent -3.47,-3.35 2.1,3.42, body extent -1.85,-3.35 1.85,3.35, height 1.8
KEMT-7343-43_L [mm] "Molded Capacitor, 2-Leads, Body 7.6x4.6mm, IPC High Density"
  rect 2.2x2.35 smd: 1(-2.925,0) 2(2.925,0)
  silkscreen extent -4.53,-2.3 3.8,2.3, body extent -3.8,-2.3 3.8,2.3, height 4.3
NIC-UVR-10x12.5-2_V [mm] "TH, 2-Leads, Dia 10mm, Body Length 14mm, Pitch 5mm"
  rect 1.35x1.35 hole 0.85: 1(-2.5,0)
  round 1.35 hole 0.85: 2(2.5,0)
  silkscreen extent -5,-5 5,5, body extent -5,-5 5,5, height 14
ONSC-DPAK-3-369C-01_V [mm] "DPAK, 3-Leads, Body 6.54x6.095mm, Pitch 2.29mm"
  rect 3x1.6 smd: 1(-4.4,2.29) 3(-4.4,-2.29)
  rect 6.2x5.8 smd: 4(2.8,0)
  silkscreen extent -4.52,-3.27 -0.45,3.76, body extent -1.6,-3.27 4.49,3.27, height 2.38
ONSC-SOIC-8-751-07_V [mm] "SOIC, 8-Leads, Body 4.9x3.9mm, Pitch 1.27mm"
  rect 1.52x0.6 smd: 1(-2.74,1.905) 2(-2.74,0.635) 3(-2.74,-0.635) 4(-2.74,-1.905) 5(2.74,-1.905) 6(2.74,-0.635) 7(2.74,0.635) 8(2.74,1.905)
  silkscreen extent -2.86,-2.45 1.58,2.88, body extent -1.95,-2.45 1.95,2.45, height 1.75
ONSC-TO-92-3-29-11_AM_BL [mm] "TO, 3-Leads, Body Dia 4.7mm, Pitch 2.6mm"
  rect 1.4x1.4 hole 0.9: 1(-2.6,0)
  round 1.4 hole 0.9: 2(0,0) 3(2.6,0)
  silkscreen extent -3.97,-1.34 2.13,2.35, body extent -2.84,-1.34 2.84,2.35, height 5.33
PDIP300-P8 [mm] "8-Pin Plastic Dual In-Line Package (PDIP)"
  rect 1.5x1.5 hole 0.9: 1(-3.81,3.81)
  round 1.5 hole 0.9: 2(-3.81,1.27) 3(-3.81,-1.27) 4(-3.81,-3.81) 5(3.81,-3.81) 6(3.81,-1.27) 7(3.81,1.27) 8(3.81,3.81)
  silkscreen extent -3.93,-4.9 2.65,5.23, body extent -3.55,-4.9 3.55,4.9, height 4.32
PZ0100A_N [mm] "QFP,100-Leads, Body 14x14mm, Pitch 0.5mm, IPC Medium Density"
  rrect33% 1.45x0.3 smd: 1(-7.725,6) 2(-7.725,5.5) 3(-7.725,5) 4(-7.725,4.5) 5(-7.725,4) 6(-7.725,3.5) 7(-7.725,3) 8(-7.725,2.5) 9(-7.725,2) 10(-7.725,1.5) 11(-7.725,1) 12(-7.725,0.5) 13(-7.725,0) 14(-7.725,-0.5) 15(-7.725,-1) 16(-7.725,-1.5) 17(-7.725,-2) 18(-7.725,-2.5) 19(-7.725,-3) 20(-7.725,-3.5) 21(-7.725,-4) 22(-7.725,-4.5) 23(-7.725,-5) 24(-7.725,-5.5) 25(-7.725,-6) 51(7.725,-6) 52(7.725,-5.5) 53(7.725,-5) 54(7.725,-4.5) 55(7.725,-4) 56(7.725,-3.5) 57(7.725,-3) 58(7.725,-2.5) 59(7.725,-2) 60(7.725,-1.5) 61(7.725,-1) 62(7.725,-0.5) 63(7.725,0) 64(7.725,0.5) 65(7.725,1) 66(7.725,1.5) 67(7.725,2) 68(7.725,2.5) 69(7.725,3) 70(7.725,3.5) 71(7.725,4) 72(7.725,4.5) 73(7.725,5) 74(7.725,5.5) 75(7.725,6)
  rrect33% 0.3x1.45 smd: 26(-6,-7.725) 27(-5.5,-7.725) 28(-5,-7.725) 29(-4.5,-7.725) 30(-4,-7.725) 31(-3.5,-7.725) 32(-3,-7.725) 33(-2.5,-7.725) 34(-2,-7.725) 35(-1.5,-7.725) 36(-1,-7.725) 37(-0.5,-7.725) 38(0,-7.725) 39(0.5,-7.725) 40(1,-7.725) 41(1.5,-7.725) 42(2,-7.725) 43(2.5,-7.725) 44(3,-7.725) 45(3.5,-7.725) 46(4,-7.725) 47(4.5,-7.725) 48(5,-7.725) 49(5.5,-7.725) 50(6,-7.725) 76(6,7.725) 77(5.5,7.725) 78(5,7.725) 79(4.5,7.725) 80(4,7.725) 81(3.5,7.725) 82(3,7.725) 83(2.5,7.725) 84(2,7.725) 85(1.5,7.725) 86(1,7.725) 87(0.5,7.725) 88(0,7.725) 89(-0.5,7.725) 90(-1,7.725) 91(-1.5,7.725) 92(-2,7.725) 93(-2.5,7.725) 94(-3,7.725) 95(-3.5,7.725) 96(-4,7.725) 97(-4.5,7.725) 98(-5,7.725) 99(-5.5,7.725) 100(-6,7.725)
  silkscreen extent -7.85,-6.6 6.6,6.82, body extent -8,-8 8,8, height 1.6
SOT-23-OT5_M [mm] "SOT23, 5-Leads, Body 2.9x1.7mm, Pitch 0.95mm, Lead Span 2.8mm, IPC Low Density"
  rect 1.3x0.7 smd: 1(-1.2,0.95) 2(-1.2,0) 3(-1.2,-0.95) 4(1.2,-0.95) 5(1.2,0.95)
  silkscreen extent -1.32,-1.55 0.15,1.97, body extent -0.9,-1.55 0.9,1.55, height 1.45
SSOP-28_N [mm] "SOP, 28-Leads, Body 10.2x5.3mm, Pitch 0.65mm, IPC Medium Density"
  oval 2.1x0.35 smd: 1(-3.45,4.225) 2(-3.45,3.575) 3(-3.45,2.925) 4(-3.45,2.275) 5(-3.45,1.625) 6(-3.45,0.975) 7(-3.45,0.325) 8(-3.45,-0.325) 9(-3.45,-0.975) 10(-3.45,-1.625) 11(-3.45,-2.275) 12(-3.45,-2.925) 13(-3.45,-3.575) 14(-3.45,-4.225) 15(3.45,-4.225) 16(3.45,-3.575) 17(3.45,-2.925) 18(3.45,-2.275) 19(3.45,-1.625) 20(3.45,-0.975) 21(3.45,-0.325) 22(3.45,0.325) 23(3.45,0.975) 24(3.45,1.625) 25(3.45,2.275) 26(3.45,2.925) 27(3.45,3.575) 28(3.45,4.225)
  silkscreen extent -3.57,-5.25 2,5.25, body extent -2.8,-5.25 2.8,5.25, height 2
TDK-ALT3232_V [mm] "SMD, 6-Leads, Body 3.2x3.2mm"
  rect 0.85x0.41 smd: 1(-1.325,-1.35) 2(-1.325,-0.7) 3(-1.325,1.35) 4(1.325,1.35) 5(1.325,0.7) 6(1.325,-1.35)
  silkscreen extent -2.42,-1.6 1.6,1.6, body extent -1.6,-1.6 1.6,1.6, height 2.9
TECO-640456-6_V [mm] "THD, 6-Leads, Body 15.24x5.72mm, Pitch 2.54mm"
  rect 1.8x1.8 hole 1.3: 1(0,0)
  round 1.8 hole 1.3: 2(2.54,0) 3(5.08,0) 4(7.62,0) 5(10.16,0) 6(12.7,0)
  silkscreen extent -1.27,-2.54 13.97,3.18, body extent -1.27,-2.54 13.97,3.18, height 10.03
"Tekercs_B82479-A1473-M - duplicate" [mm]
  rect 2.92x2.85 smd: 1(-7.19,0) 2(7.19,0)
  silkscreen extent -9.18,-7.62 9.05,7.62
Tekercs_E65_FERRITE [mil]
  round 190 hole 150: 1(-700,0) 2(700,0)
  silkscreen extent -550,-1300 550,1300
Terminal-PHOE-1714955_V [mm] "Terminal Block, 2-Leads, Body 12.7x12.5mm, Pitch 6.35mm"
  rect 1.8x1.8 hole 1.3: 1(-3.175,0)
  round 1.8 hole 1.3: 2(3.175,0)
  silkscreen extent -6.35,-8.67 6.35,4.6, body extent -6.92,-7.9 6.35,4.6, height 21.51
Test_Point [mil]
  rrect50% 40x40 hole 30: 7(0,0)